# Altium PCB new -finish.PcbDoc (part 1 of 2) (continued)
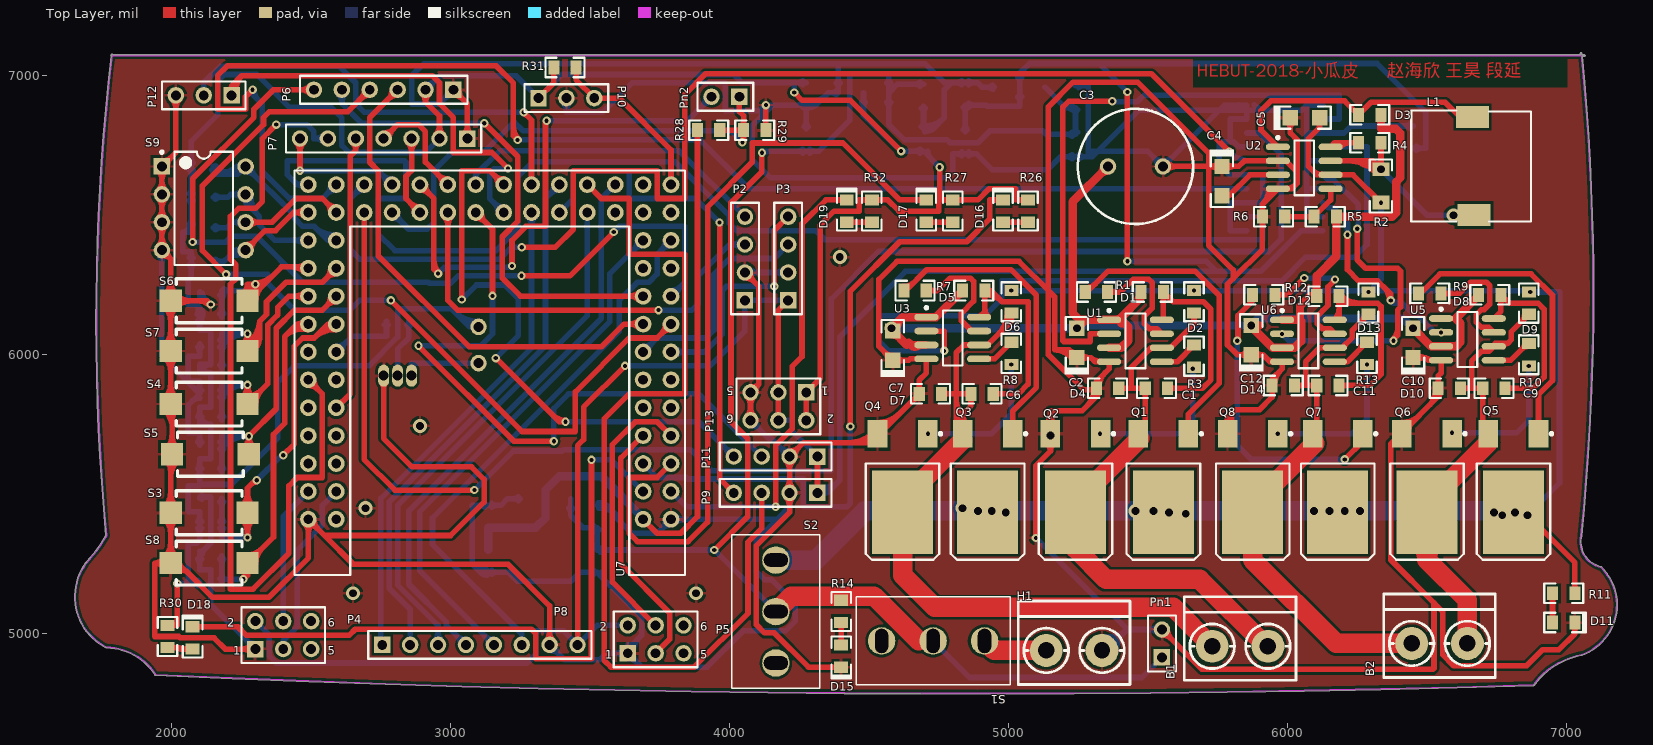
[diagram p0: Top Layer view]
## Nets (pads, with @x,y where several pads share a name; then routed paths per layer and width w, separated by ;. In a path a pad name is that pad's centre, name@x,y a point inside that pad or via, vN(x,y) a via of type N, cw(c..) or ccw(c..) an arc to the next point about the centre after c; other vN are vias at no path point) (continued)
  Bottom Layer w20: P4.2@2300,5045 2350,4995 2350,4920 2375,4895 3275,4895 3305,4925 3305,5010 3405,5010 P8.8@3455,4960 3525,5030 P5.2@3635,5030 ; v1(3625,5960) 3930,5960 4055,6085 P2.1@4055,6195 P3.1@4210,6195 ; P13.4@4175,5765 4225,5765 4225,5725 P11.1@4315,5635 ; P9.1@4314.93,5504.53 ccw(c4323.65,5564.89) 4366.77,5521.77 ; P9.1@4315,5505 4350,5505 ; P9.1@4317.79,5524.33 ccw(c4330.77,5614.22) 4395,5550 ; P9.1@4331.62,5494.74 cw(c4350,5483.4) 4350,5505 ; P9.1@4331.62,5515.26 ccw(c4350,5526.6) 4350,5505 ; C20.2@4837.93,6807.07 ccw(c4820.86,6824.14) 4845,6824.14 ccw(c4869.14,6824.14) C20.2@4852.07,6807.07 ; C19.2@4837.93,6887.93 cw(c4820.86,6870.86) 4845,6870.86 cw(c4869.14,6870.86) C19.2@4852.07,6887.93 ; C20.2@4845,6800 C19.2@4845,6895 4919,6895 4923,6891 5040,6891 2.2@5040,6959.17 5040,7009 ; C19.2@4857.07,6887.93 cw(c4874.14,6870.86) 4874.14,6895 cw(c4874.14,6919.14) C19.2@4857.07,6902.07 ; 2.2@5033.15,6924.77 cw(c5016.62,6908.23) 5040,6908.23 cw(c5063.38,6908.23) 2.2@5046.85,6924.77 ; 2.2@5033.4,6993.82 ccw(c5019.25,7009) 5040,7009 ; 2.2@5046.6,6993.82 cw(c5060.75,7009) 5040,7009 ; v1(5426,6335) 5709,6335 5745,6299 ; v1(5426,6942) 5324,7044 ; U4.20@6126.81,6445 6050,6445 5940,6335 5904,6299 4630,6299 4395,6064 4395,5550 ; C8.2@6450,6740 6495,6740 6495,6870 6321,7044 5324,7044 ; C8.2@6462.07,6732.93 cw(c6479.14,6715.86) 6479.14,6740 cw(c6479.14,6764.14) C8.2@6462.07,6747.07 ; 4350,5505 4395,5550 ; 5040,7009 5075,7044 5324,7044
5VIC: 3.2 C22.1 C24.2 R28.1 U7.2 | length 2500.8
  Top Layer w20: U7.2@3690,5410 3740,5360 3825,5360 3885,5420 R28.1@3885,6805 ; R28.1@3877.93,6792.93 cw(c3860.86,6775.86) 3885,6775.86 cw(c3909.14,6775.86) R28.1@3892.07,6792.93
  Bottom Layer w20: U7.2@3690,5410 U7.2@3690,5415
  Bottom Layer w30: C22.1@3135,5300 C24.2@3135,5380 3305,5380 3340,5415 3.2@3340,5484.17 3340,5515 3390,5565 3540,5565 U7.2@3690,5415
12V: C2.1 C3.1 C7.1 C10.1 C12.1 D1.2 D3.1 D5.2 D8.2 D12.2 R5.1 U1.1 U1.3 U3.1 U3.3 U5.1 U5.3 U6.1 U6.3 | length 5819.1
  Top Layer w30: C7.1@4585,6072.5 cw(c4585,6042.32) 4606.34,6063.66 cw(c4627.68,6085) 4597.5,6085 cw(c4663.89,6085) 4616.95,6131.95 ; C7.1@4585,6085 4635,6035 4642.5,6042.5 ; C7.1@4585,6100 4620,6135 U3.1@4705.51,6135 4740,6135 D5.2@4835,6230 ; C7.1@4590,6095 ccw(c4626.21,6095) C7.1@4600.61,6069.39 ; U3.3@4674.47,6031.84 cw(c4669.14,6069.14) 4642.5,6042.5 ; U3.3@4675.76,6032.33 cw(c4664.52,6049.52) 4650,6035 ; U3.3@4705.51,6035 4650,6035 ; D5.2@4817.93,6212.93 cw(c4835,6195.86) D5.2@4835,6220 ; v2(5245,6095) 5275,6125 ; C2.1@5245,6107.5 ccw(c5245,6137.68) 5266.34,6116.34 ccw(c5287.68,6095) C2.1@5257.5,6095 ; C3.1@5342.05,6675 cw(c5306.97,6675) 5331.77,6650.2 cw(c5356.57,6625.4) C3.1@5356.57,6660.47 ; C3.1@5356.57,6675 5230,6548.43 5230,6150 5255,6125 5275,6125 ; U1.3@5360.51,6025 5404,6025 5429,6050 5429,6100 5404,6125 ; U1.1@5392.01,6128.19 cw(c5392.01,6106.94) 5407.04,6121.96 ; U1.1@5392.96,6128.04 cw(c5388.24,6113.01) 5404,6113.01 ; 5455.86,6185.86 ccw(c5421.72,6220) D1.2@5470,6220 ; D1.2@5475,6225 5475,6205 5404,6134 5404,6125 ; C12.1@5870,6101.96 5946.96,6025 U6.3@5980.51,6025 6025,6025 6048.82,6048.82 6048.82,6121.18 6045,6125 ; v2(5870,6105) 5900,6105 ; C12.1@5878.88,6096.2 cw(c5900,6075.25) 5900,6105 ; C12.1@5878.88,6113.8 ccw(c5900,6134.75) 5900,6105 ; C12.1@5880,6105 ccw(c5911.49,6105) C12.1@5889.22,6082.74 ; C12.1@5882.5,6105 ccw(c5920.02,6105) C12.1@5893.49,6078.47 ; U6.1@5980.51,6125 6045,6125 ; D3.1@6335,6860 6335,6810 6389,6810 6404,6795 6404,6634 6390,6620 6390,6509.64 6375.36,6495 R5.1@6175,6495 6175,6353 6105,6283 D12.2@6105,6210 6080,6210 6045,6175 6045,6125 ; v2(6450,6095) 6515,6030 U5.3@6550.51,6030 6605,6030 6620,6045 6620,6113 6603,6130 6685,6212 D8.2@6685,6215 ; 4642.5,6042.5 4650,6035 ; 5275,6125 U1.1@5360.51,6125 5404,6125
  Bottom Layer w30: v2(4580,6095) v2(5245,6095) 5255,6105 v2(5870,6105) 5895,6130 6415,6130 v2(6450,6095)
GND: 1.1 2.1 3.1 C2.2 C3.2 C4.2 C5.2 C7.2 C8.1 C10.2 C12.2 C13.2 C14.2 C15.1 C16.1 C17.1 C18.1 C19.1 C20.1 C21.2 C22.2 C23.1 C24.1 C25.1 C26.1 C27.1 C28.1 C29.1 C30.1 D4.2 D7.2 D10.2 D11.2 D14.2 D15.2 H1.1 P2.2 P3.2 P4.1 P5.1 P6.1 P7.1 P8.7 P9.2 P10.2 P11.2 P12.3 P13.5 P13.6 Pn1.2 Q2.3 Q4.3 Q6.3 Q8.3 Q9.1 R6.1 R29.2 S3.1 S4.1 S5.1 S6.1 S7.1 S8.1 S9.1 S9.2 S9.3 S9.4 U1.4 U2.2 U2.4 U3.4 U4.1 U4.3 U4.5 U4.7 U4.9 U4.10 U4.11 U4.13 U4.15 U4.17 U4.19 U5.4 U6.4 U7.1 U7.72 | length 43813.2
  Top Layer w20: S9.4@1951.19,6388.81 ccw(c1917.86,6422.14) 1965,6422.14 ccw(c2012.14,6422.14) S9.4@1978.81,6388.81 ; S9.3@1951.19,6461.19 cw(c1917.86,6427.86) 1965,6427.86 cw(c2012.14,6427.86) S9.3@1978.81,6461.19 ; S9.3@1951.19,6488.81 ccw(c1917.86,6522.14) 1965,6522.14 ccw(c2012.14,6522.14) S9.3@1978.81,6488.81 ; S9.2@1951.19,6561.19 cw(c1917.86,6527.86) 1965,6527.86 cw(c2012.14,6527.86) S9.2@1978.81,6561.19 ; S9.2@1951.19,6588.81 ccw(c1917.86,6622.14) 1965,6622.14 ccw(c2012.14,6622.14) S9.2@1978.81,6588.81 ; S9.1@1951.19,6661.19 cw(c1917.86,6627.86) 1965,6627.86 cw(c2012.14,6627.86) S9.1@1978.81,6661.19 ; S9.1@1965,6694.53 ccw(c1965,6741.67) 1998.34,6708.34 ccw(c2031.67,6675) S9.1@1984.53,6675 ; S9.4@1965.96,6355.5 cw(c1967.93,6315.65) 1996.14,6343.86 ; S8.1@1971.2,5236.52 ccw(c1940,5215.66) 1940,5253.19 ; S8.1@1971.2,5269.86 cw(c1940,5290.72) 1940,5253.19 ; S8.1@1974.93,5274.4 ccw(c1923.72,5325.62) 1996.14,5325.62 ccw(c2068.57,5325.62) S8.1@2017.36,5274.4 ; S3.1@1974.93,5411.98 cw(c1923.72,5360.76) 1996.14,5360.76 cw(c2068.57,5360.76) S3.1@2017.36,5411.98 ; S3.1@1974.93,5454.4 ccw(c1923.72,5505.62) 1996.14,5505.62 ccw(c2068.57,5505.62) S3.1@2017.36,5454.4 ; S4.1@1974.93,5801.98 cw(c1909.57,5736.62) 2002,5736.62 ; S4.1@1974.93,5844.4 ccw(c1923.72,5895.62) 1996.14,5895.62 ccw(c2068.57,5895.62) S4.1@2017.36,5844.4 ; S7.1@1974.93,5991.98 cw(c1923.72,5940.76) 1996.14,5940.76 cw(c2068.57,5940.76) S7.1@2017.36,5991.98 ; S7.1@1974.93,6034.4 ccw(c1923.72,6085.62) 1996.14,6085.62 ccw(c2068.57,6085.62) S7.1@2017.36,6034.4 ; S6.1@1974.93,6171.98 cw(c1923.72,6120.76) 1996.14,6120.76 cw(c2068.57,6120.76) 2017.36,6171.98 cw(c2068.57,6120.76) 2068.57,6193.19 cw(c2068.57,6265.62) 2017.36,6214.4 cw(c2068.57,6265.62) 1996.14,6265.62 cw(c1923.72,6265.62) S6.1@1974.93,6214.4 ; S5.1@1979.93,5621.98 cw(c1940.79,5582.83) 1996.14,5582.83 ; S5.1@1981.73,5666.06 ccw(c1946.14,5708) 2001.14,5708 ; S9.4@1984.5,6374.04 ccw(c2024.35,6372.07) 1996.14,6343.86 ; 1996.14,5558.69 cw(c2085.64,5558.69) S5.1@2022.36,5621.98 ; P12.3@2001.19,6916.19 cw(c1967.86,6882.86) 2015,6882.86 cw(c2062.14,6882.86) P12.3@2028.81,6916.19 ; 2002,5764.91 cw(c2054.43,5764.91) S4.1@2017.36,5801.98 ; S8.1@2007.29,5225.34 cw(c2028.1,5173.38) 2054,5223 ; P12.3@2015,6930 2015,6725 S9.1@1965,6675 S9.2@1965,6575 S9.3@1965,6475 S9.4@1965,6375 1996.14,6343.86 ; S5.1@2020.55,5666.06 cw(c2056.14,5708) 2001.14,5708 ; S8.1@2025.37,5259.97 ccw(c2079.89,5272.63) 2054,5223 ; 2096.09,6193.19 cw(c2096.09,6136.09) v1@2136.46,6176.46 ; v1(2140,6180) 2126.81,6193.19 S6.1@1996.14,6193.19 ; P4.1@2286.19,4931.19 ccw(c2252.86,4897.86) 2252.86,4945 ccw(c2252.86,4992.14) P4.1@2286.19,4958.81 ; P4.1@2300,4945 2192,4945 2152,4985 2030,4985 2025,4990 1940,4990 1940,5253.19 ; U7.72@2475.86,5395.86 cw(c2441.72,5361.72) 2490,5361.72 cw(c2538.28,5361.72) U7.72@2504.14,5395.86 ; U7.72@2490,5390 cw(c2490,5341.72) 2524.14,5375.86 cw(c2558.28,5410) U7.72@2510,5410 ; Q9.1@2753.15,5898.47 cw(c2736.62,5881.93) 2760,5881.93 cw(c2783.38,5881.93) Q9.1@2766.85,5898.47 ; Q9.1@2760,5925 2760,5700 2862,5598 3075,5598 3120,5553 3120,5472 3000,5352 2548,5352 ; P6.1@3010,6930.47 cw(c3010,6883.33) 3043.34,6916.66 cw(c3076.67,6950) P6.1@3029.53,6950 ; P6.1@3010,6950 3060,6900 P7.1@3060,6775 ; P7.1@3046.19,6788.81 ccw(c3012.86,6822.14) 3060,6822.14 ccw(c3107.14,6822.14) P7.1@3073.81,6788.81 ; P8.7@3341.19,4973.81 ccw(c3307.86,5007.14) 3355,5007.14 ccw(c3402.14,5007.14) P8.7@3368.81,4973.81 ; P8.7@3355,4960 3355,5100 3206,5249 2651,5249 2548,5352 ; P2.2@4055,6275.47 cw(c4055,6228.33) 4088.34,6261.66 cw(c4121.67,6295) P2.2@4074.53,6295 ; P2.2@4055,6295 4105,6245 4105,5895 ; P13.6@4061.19,5778.81 ccw(c4027.86,5812.14) 4075,5812.14 ccw(c4122.14,5812.14) P13.6@4088.81,5778.81 ; P13.5@4061.19,5851.19 cw(c4027.86,5817.86) 4075,5817.86 cw(c4122.14,5817.86) P13.5@4088.81,5851.19 ; P13.6@4075,5765 P13.5@4075,5865 4105,5895 ; P13.5@4076.51,5884.47 ccw(c4079.32,5920.68) 4105,5895 ; P13.5@4094.47,5866.51 cw(c4130.68,5869.32) 4105,5895 ; R29.2@4122.93,6817.07 ccw(c4105.86,6834.14) 4130,6834.14 ccw(c4154.14,6834.14) R29.2@4137.07,6817.07 ; R29.2@4130,6805 v1(4130,6895) ; P9.2@4201.19,5491.19 cw(c4167.86,5457.86) 4215,5457.86 cw(c4262.14,5457.86) P9.2@4228.81,5491.19 ; P9.2@4201.19,5518.81 ccw(c4167.86,5552.14) 4215,5552.14 ccw(c4262.14,5552.14) P9.2@4228.81,5518.81 ; P11.2@4201.19,5621.19 cw(c4167.86,5587.86) 4215,5587.86 cw(c4262.14,5587.86) P11.2@4228.81,5621.19 ; P11.2@4215,5654.53 ccw(c4215,5701.67) 4248.34,5668.34 ccw(c4281.67,5635) P11.2@4234.53,5635 ; D15.2@4387.93,4872.93 ccw(c4370.86,4855.86) 4370.86,4880 ccw(c4370.86,4904.14) D15.2@4387.93,4887.07 ; D15.2@4400,4880 4283,4880 4160,5003 4125,5003 4096,5032 4096,5316 4215,5435 P9.2@4215,5505 P11.2@4215,5635 4265,5685 4530.24,5685 Q4.3@4530.24,5716.73 4536.73,5716.73 D7.2@4680,5860 4680,5909 4705.51,5934.51 U3.4@4705.51,5985 4647,5985 4642,5980 C7.2@4585,5980 4535,6030 4535,6270 4600,6335 5038,6335 5143,6230 ; 4429.49,5685 ccw(c4429.49,5802.48) Q4.3@4512.56,5719.41 ; 4477.77,5685 ccw(c4477.77,5754.2) Q4.3@4526.7,5705.27 ; Q4.3@4530.24,5736.73 ccw(c4530.24,5800.7) 4575.47,5755.47 ; Q4.3@4530.24,5756.73 ccw(c4530.24,5868.98) 4609.61,5789.61 ; C7.2@4567.5,5980 ccw(c4525.25,5980) 4555.13,6009.87 ccw(c4585,6039.75) C7.2@4585,5997.5 ; C7.2@4597.37,5967.63 cw(c4627.25,5937.75) 4627.25,5980 cw(c4627.25,6022.25) C7.2@4597.37,5992.37 ; 4654.39,5834.39 cw(c4680,5808.79) D7.2@4680,5845 ; D7.2@4672.93,5872.07 ccw(c4655.86,5889.14) 4680,5889.14 ccw(c4704.14,5889.14) D7.2@4687.07,5872.07 ; v1(5098,5343) 5098,5602.76 5150.24,5655 ; Q2.3@5132.56,5749.41 ccw(c5089.88,5792.09) 5150.24,5792.09 ccw(c5210.59,5792.09) Q2.3@5167.91,5749.41 ; Q2.3@5136.36,5680.93 cw(c5119.06,5655) 5150.24,5655 ; Q2.3@5139.39,5699.39 cw(c5113.22,5673.22) Q2.3@5150.24,5673.22 ; Q2.3@5139.39,5720.61 ccw(c5113.22,5746.78) Q2.3@5150.24,5746.78 ; Q2.3@5150.24,5674.36 cw(c5185.64,5674.36) Q2.3@5160.61,5699.39 ; Q2.3@5150.24,5745.64 ccw(c5185.64,5745.64) Q2.3@5160.61,5720.61 ; Q2.3@5164.11,5680.93 ccw(c5181.41,5655) 5150.24,5655 ; 5200.56,6017.5 cw(c5200.56,5963) C2.2@5247.14,5991.3 ; C2.2@5230.04,5980.91 ccw(c5165,5941.4) 5165,6017.5 ; C2.2@5257.37,5977.63 cw(c5287.25,5947.75) 5287.25,5990 cw(c5287.25,6032.25) C2.2@5257.37,6002.37 ; 5280.25,5815.25 ccw(c5220.5,5875) D4.2@5305,5875 ; D4.2@5307.93,5882.07 cw(c5290.86,5899.14) 5290.86,5875 cw(c5290.86,5850.86) 5307.93,5867.93 cw(c5290.86,5850.86) 5315,5850.86 cw(c5339.14,5850.86) D4.2@5322.07,5867.93 ; 5314.39,5849.39 ccw(c5288.79,5875) D4.2@5325,5875 ; D4.2@5325,5885 cw(c5395.01,5885) 5345.51,5934.51 ; U1.4@5328.94,5976.81 cw(c5326.95,6021.95) 5295,5990 ; Pn1.2@5550,4995.47 cw(c5550,4948.33) 5583.34,4981.66 cw(c5616.67,5015) Pn1.2@5569.53,5015 ; Pn1.2@5550,5015 5693,4872 6521,4872 6525,4876 6525,5110 ; C3.2@5553.43,6675 5717,6675 ; C3.2@5567.23,6661.19 cw(c5600.57,6627.86) 5600.57,6675 cw(c5600.57,6722.14) C3.2@5567.23,6688.81 ; C4.2@5752.63,6662.63 ccw(c5722.75,6632.75) 5722.75,6675 ccw(c5722.75,6717.25) C4.2@5752.63,6687.37 ; Q8.3@5772.75,5753.39 ccw(c5760.3,5775) 5785.24,5775 ; C4.2@5777.37,6662.63 cw(c5807.25,6632.75) 5807.25,6675 cw(c5807.25,6717.25) C4.2@5777.37,6687.37 ; Q8.3@5785.24,5716.73 5785.24,5775 ; Q8.3@5789.49,5734.36 cw(c5824.49,5756.03) 5795.38,5785.14 ; Q8.3@5797.72,5753.39 cw(c5810.18,5775) 5785.24,5775 ; Q8.3@5806.49,5744.89 cw(c5846.54,5769.69) 5813.23,5803 ; C12.2@5857.63,5987.63 ccw(c5827.75,5957.75) 5827.75,6000 ccw(c5827.75,6042.25) C12.2@5857.63,6012.37 ; C12.2@5882.43,5987.68 cw(c5912,5958.36) 5912,6000 ; C12.2@5882.43,6012.32 ccw(c5912,6041.64) 5912,6000 ; R6.1@5902.93,6482.93 cw(c5885.86,6465.86) 5910,6465.86 cw(c5934.14,6465.86) R6.1@5917.07,6482.93 ; R6.1@5902.93,6507.07 ccw(c5885.86,6524.14) 5910,6524.14 ccw(c5934.14,6524.14) R6.1@5917.07,6507.07 ; 5925.41,5986.59 ccw(c5949.02,6010.19) U6.4@5949.02,5976.81 ; U2.4@5932.21,6594.96 cw(c5856.35,6593.15) 5910,6539.49 ; D14.2@5937.93,5877.93 cw(c5920.86,5860.86) 5945,5860.86 cw(c5969.14,5860.86) D14.2@5952.07,5877.93 ; 5943.02,6572.51 ccw(c5920.85,6594.69) U2.4@5952.2,6595.43 ; D14.2@5955,5895 cw(c6025.01,5895) 5975.51,5944.51 ; U2.4@5997.01,6596.81 ccw(c5997.01,6644.62) 6030.81,6610.81 ; C5.2@5997.63,6837.63 cw(c5967.75,6807.75) 6010,6807.75 cw(c6052.25,6807.75) C5.2@6022.37,6837.63 ; C5.2@6010,6850 6010,6795 6035,6770 6035,6655 ; Q6.3@6395.19,5681.76 ccw(c6383.61,5666.39) 6370,5680 ; Q6.3@6410.24,5716.73 Q6.3@6410.24,5720.24 ; Q6.3@6410.24,5756.73 ccw(c6410.24,5844.84) 6472.54,5782.54 ; Q6.3@6435.24,5731.73 cw(c6467.84,5731.73) Q6.3@6444.78,5754.78 ; C10.2@6450,5990 6495,5990 ; C10.2@6462.37,5977.63 cw(c6492.25,5947.75) 6492.25,5990 cw(c6492.25,6032.25) C10.2@6462.37,6002.37 ; 6505.25,5815.25 ccw(c6445.5,5875) D10.2@6530,5875 ; U5.4@6518.8,5981.8 cw(c6515.31,6010.31) 6495,5990 ; D10.2@6532.93,5867.93 cw(c6515.86,5850.86) 6540,5850.86 cw(c6564.14,5850.86) D10.2@6547.07,5867.93 ; D10.2@6532.93,5892.07 ccw(c6515.86,5909.14) 6540,5909.14 ccw(c6564.14,5909.14) D10.2@6547.07,5892.07 ; 6539.39,5849.39 ccw(c6513.79,5875) D10.2@6550,5875 ; D11.2@7022.93,5027.93 cw(c7005.86,5010.86) 7030,5010.86 cw(c7054.14,5010.86) D11.2@7037.07,5027.93 ; D11.2@7030,5040 7030,5000 6973,4943 6915,4943 6857,4885 6596,4885 6556,4925 6556,5079 6525,5110 ; 1940,5253.19 S8.1@1996.14,5253.19 ; S8.1@1996.14,5253.19 S3.1@1996.14,5433.19 1996.14,5638.19 S5.1@2001.14,5643.19 2001.14,5708 ; S8.1@1996.14,5253.19 2054,5223 ; S6.1@1996.14,6193.19 S7.1@1996.14,6013.19 S4.1@1996.14,5823.19 2002,5823.19 2002,5708.86 2001.14,5708 ; S6.1@1996.14,6193.19 1996.14,6343.86 ; 2054,5223 2147,5130 2348,5130 2490,5272 U7.72@2490,5410 2548,5352 ; 5143,6230 5165,6208 5165,6017.5 ; 5143,6230 5143,6000 5268,5875 D4.2@5315,5875 ; 5143,6230 5143,6889 5231.23,6977.23 5462.96,6977.23 5717,6723.19 5717,6675 ; 5150.24,5655 Q2.3@5150.24,5716.73 5150.24,5799 5264,5799 5315,5850 D4.2@5315,5875 ; 5165,6017.5 5217.5,6017.5 C2.2@5245,5990 5295,5990 ; 5295,5990 5310,5975 U1.4@5360.51,5975 5360.51,5949.51 5315,5904 D4.2@5315,5880 D4.2@5315,5875 ; 5717,6675 5717,6392 5805,6304 5805,6273 ; 5717,6675 C4.2@5765,6675 5825,6675 5845,6695 U2.2@5965.51,6695 5995,6695 6035,6655 ; 5785.24,5775 5813.24,5803 ; 5805,6273 5910,6378 R6.1@5910,6495 5910,6539.49 ; 5805,6273 5785,6253 5785,6035 5820,6000 C12.2@5870,6000 5912,6000 ; 5813.24,5803 5900,5803 5945,5848 D14.2@5945,5890 5945,5914 5980.51,5949.51 U6.4@5980.51,5975 5937,5975 5912,6000 ; 5910,6539.49 U2.4@5965.51,6595 6015,6595 6035,6615 6035,6655 ; 6370,5680 6370,5265 6525,5110 ; 6370,5680 Q6.3@6410.24,5720.24 ; Q6.3@6410.24,5720.24 6540,5850 D10.2@6540,5880 6540,5924 6550.51,5934.51 U5.4@6550.51,5980 6505,5980 6495,5990
  Bottom Layer w20: S9.4@1951.19,6361.19 cw(c1917.86,6327.86) 1965,6327.86 cw(c2012.14,6327.86) S9.4@1978.81,6361.19 ; S9.4@1965,6375 1965,5995 C26.1@2100,5860 ; 2074.39,5834.39 cw(c2100,5808.79) C26.1@2100,5845 ; 2074.39,5885.61 ccw(c2100,5911.21) C26.1@2100,5875 ; C30.1@2092.93,5267.93 cw(c2075.86,5250.86) 2100,5250.86 cw(c2124.14,5250.86) C30.1@2107.07,5267.93 ; C27.1@2092.93,5687.07 ccw(c2075.86,5704.14) 2100,5704.14 ccw(c2124.14,5704.14) C27.1@2107.07,5687.07 ; C26.1@2092.93,5872.07 ccw(c2075.86,5889.14) 2100,5889.14 ccw(c2124.14,5889.14) C26.1@2107.07,5872.07 ; C29.1@2092.93,6027.93 cw(c2075.86,6010.86) 2100,6010.86 cw(c2124.14,6010.86) C29.1@2107.07,6027.93 ; C30.1@2100,5295 ccw(c2100,5319.14) 2117.07,5302.07 ccw(c2134.14,5285) C30.1@2110,5285 ; C25.1@2100,5485 2100,5490 2140,5490 2140,5325 2100,5285 C30.1@2100,5280 2100,5230 2140,5230 2140,5105 P4.1@2300,4945 ; C27.1@2100,5675 2100,5720 2060,5720 2060,5820 C26.1@2100,5860 ; C29.1@2100,6040 2100,5995 2060,5995 2060,5905 2100,5905 C26.1@2100,5860 ; C28.1@2100,6210 cw(c2100,6185.86) 2117.07,6202.93 cw(c2134.14,6220) C28.1@2110,6220 ; C28.1@2100,6225 2100,6220 v1(2140,6180) ; C25.1@2107.07,5482.93 cw(c2124.14,5465.86) 2124.14,5490 cw(c2124.14,5514.14) C25.1@2107.07,5497.07 ; P4.1@2280.47,4945 ccw(c2233.33,4945) 2266.66,4978.34 ccw(c2300,5011.67) P4.1@2300,4964.53 ; P6.1@2990.47,6950 cw(c2943.33,6950) 2976.66,6916.66 cw(c3010,6883.33) P6.1@3010,6930.47 ; P6.1@3010,6950 2959,6899 2861,6899 2860,6900 2860,7000 2903,7043 4389.45,7043 ; 3109.23,5218.19 ccw(c3129.07,5238.03) C22.2@3130.51,5210.01 ; C22.2@3122.59,5213.28 ccw(c3107.43,5199.53) 3107.43,5220 ; C22.2@3122.59,5226.72 cw(c3107.43,5240.47) 3107.43,5220 ; C24.1@3122.93,5452.93 ccw(c3105.86,5435.86) 3105.86,5460 ccw(c3105.86,5484.14) C24.1@3122.93,5467.07 ; C22.2@3129.49,5229.99 cw(c3125.96,5298.53) 3077.43,5250 ; C22.2@3147.07,5212.93 cw(c3164.14,5195.86) 3164.14,5220 cw(c3164.14,5244.14) C22.2@3147.07,5227.07 ; C24.1@3147.07,5452.93 cw(c3164.14,5435.86) 3164.14,5460 cw(c3164.14,5484.14) C24.1@3147.07,5467.07 ; 3.1@3242.6,5477.33 ccw(c3226.07,5460.79) 3226.07,5484.17 ccw(c3226.07,5507.56) 3.1@3242.6,5491.02 ; 3.1@3249.45,5484.17 3204.17,5484.17 3180,5460 C24.1@3135,5460 3077.43,5460 3077.43,5250 ; P8.7@3355,4940.47 cw(c3355,4893.33) 3388.34,4926.66 cw(c3421.67,4960) P8.7@3374.53,4960 ; P8.7@3355,4960 3409,4906 3533,4906 3557,4930 P5.1@3635,4930 ; P10.2@3401.19,6906.19 cw(c3367.86,6872.86) 3415,6872.86 cw(c3462.14,6872.86) P10.2@3428.81,6906.19 ; P10.2@3415,6920 3415,6870 3546,6870 3650.53,6974.53 3985,6974.53 3985,6875 4108,6875 4128,6895 v1(4130,6895) 4155,6895 ; C21.2@3512.93,5212.93 ccw(c3495.86,5195.86) 3495.86,5220 ccw(c3495.86,5244.14) C21.2@3512.93,5227.07 ; C23.1@3525,5460 3560,5460 3595,5425 ; C23.1@3529.54,5469.99 cw(c3531.58,5425.66) 3562.96,5457.04 ; C23.1@3530.46,5450.01 cw(c3534.4,5364.41) 3595,5425 ; C23.1@3537.07,5452.93 cw(c3554.14,5435.86) 3554.14,5460 cw(c3554.14,5484.14) C23.1@3537.07,5467.07 ; C21.2@3540,5220 ccw(c3576.21,5220) 3550.61,5194.39 ; P5.1@3621.19,4916.19 ccw(c3587.86,4882.86) 3587.86,4930 ccw(c3587.86,4977.14) P5.1@3621.19,4943.81 ; P5.1@3627.1,4947.86 ccw(c3621.72,4960) 3635,4960 ; P5.1@3635,4910.47 cw(c3635,4863.33) 3668.34,4896.66 cw(c3701.67,4930) 3654.53,4930 cw(c3737.88,4930) 3678.94,4988.94 ; P5.1@3642.9,4947.86 cw(c3648.28,4960) 3635,4960 ; P5.1@3649.54,4943.04 cw(c3658.72,4951.27) 3650,4960 ; U7.1@3770,5410 cw(c3721.72,5410) 3755.86,5375.86 cw(c3790,5341.72) U7.1@3790,5390 ; U7.1@3804.14,5395.86 cw(c3838.28,5361.72) 3838.28,5410 cw(c3838.28,5458.28) U7.1@3804.14,5424.14 ; P2.2@4055,6295 P3.2@4210,6295 ; P2.2@4068.81,6281.19 cw(c4102.14,6247.86) 4102.14,6295 cw(c4102.14,6342.14) P2.2@4068.81,6308.81 ; P13.6@4075,5745.47 cw(c4075,5698.33) 4108.34,5731.66 cw(c4141.67,5765) P13.6@4094.53,5765 ; P13.6@4075,5765 4140,5700 4150,5700 P11.2@4215,5635 ; 4103.79,6843.79 ccw(c4052.57,6895) v1@4125,6895 ; 4118.05,6885.05 cw(c4130,6873.1) v1@4130,6890 ; 4137.93,6877.93 ccw(c4120.86,6895) 4145,6895 ; P11.2@4195.47,5635 ccw(c4148.33,5635) 4181.66,5668.34 ccw(c4215,5701.67) P11.2@4215,5654.53 ; P3.2@4196.19,6281.19 ccw(c4162.86,6247.86) 4162.86,6295 ccw(c4162.86,6342.14) P3.2@4196.19,6308.81 ; P9.2@4201.19,5491.19 cw(c4167.86,5457.86) 4215,5457.86 cw(c4262.14,5457.86) P9.2@4228.81,5491.19 ; P9.2@4215,5505 4215,5455 ; C16.1@4262.93,6887.93 ccw(c4245.86,6870.86) 4245.86,6895 ccw(c4245.86,6919.14) C16.1@4262.93,6902.07 ; C15.1@4267.93,6817.07 ccw(c4250.86,6834.14) 4275,6834.14 ccw(c4299.14,6834.14) C15.1@4282.07,6817.07 ; C16.1@4267.93,6887.93 cw(c4250.86,6870.86) 4275,6870.86 cw(c4299.14,6870.86) C16.1@4282.07,6887.93 ; C15.1@4275,6810 C16.1@4275,6895 ; C16.1@4280,6885 ccw(c4280,6933.28) 4314.14,6899.14 ; C16.1@4280,6905 ccw(c4280,7001.57) 4348.28,6933.28 ; C16.1@4287.07,6887.93 cw(c4304.14,6870.86) 4304.14,6895 cw(c4304.14,6919.14) C16.1@4287.07,6902.07 ; 1.1@4382.6,6932.33 ccw(c4366.07,6915.79) 4366.07,6939.17 ccw(c4366.07,6962.56) 1.1@4382.6,6946.02 ; 1.1@4382.6,6973.58 ccw(c4366.07,6990.11) 4389.45,6990.11 ccw(c4412.83,6990.11) 1.1@4396.3,6973.58 ; C14.2@4687.93,6817.07 ccw(c4670.86,6834.14) 4695,6834.14 ccw(c4719.14,6834.14) C14.2@4702.07,6817.07 ; C13.2@4687.93,6882.93 cw(c4670.86,6865.86) 4695,6865.86 cw(c4719.14,6865.86) C13.2@4702.07,6882.93 ; C13.2@4695,6890 C14.2@4695,6810 4730,6810 4770,6850 4770,6950 4795,6975 ; C14.2@4700,6800 ccw(c4700,6848.28) 4734.14,6814.14 ; C14.2@4700,6820 ccw(c4700,6916.57) 4768.28,6848.28 ; C14.2@4707.07,6802.93 cw(c4724.14,6785.86) 4724.14,6810 cw(c4724.14,6834.14) C14.2@4707.07,6817.07 ; C20.1@4832.93,6712.93 ccw(c4815.86,6695.86) 4815.86,6720 ccw(c4815.86,6744.14) C20.1@4832.93,6727.07 ; C19.1@4832.93,6967.93 ccw(c4815.86,6950.86) 4815.86,6975 ccw(c4815.86,6999.14) C19.1@4832.93,6982.07 ; C20.1@4857.07,6712.93 cw(c4874.14,6695.86) 4874.14,6720 cw(c4874.14,6744.14) C20.1@4857.07,6727.07 ; C19.1@4857.07,6967.93 cw(c4874.14,6950.86) 4874.14,6975 cw(c4874.14,6999.14) C19.1@4857.07,6982.07 ; 2.1@4942.6,6952.33 ccw(c4926.07,6935.79) 4926.07,6959.17 ccw(c4926.07,6982.56) 2.1@4942.6,6966.02 ; 2.1@4949.45,6959.17 4904.83,6959.17 4889,6975 C19.1@4845,6975 4795,6975 ; v1(5098,5343) 5426,5015 ; C17.1@5227.93,6702.93 ccw(c5210.86,6685.86) 5210.86,6710 ccw(c5210.86,6734.14) C17.1@5227.93,6717.07 ; C18.1@5240,6965 5285,6965 5285,6714 ; C17.1@5252.07,6702.93 cw(c5269.14,6685.86) 5269.14,6710 cw(c5269.14,6734.14) C17.1@5252.07,6717.07 ; C18.1@5252.07,6957.93 cw(c5269.14,6940.86) 5269.14,6965 cw(c5269.14,6989.14) C18.1@5252.07,6972.07 ; H1.1@5335,4940 5426,5015 ; H1.1@5337.88,4968.91 ccw(c5344.75,5037.99) 5388.9,4984.42 ccw(c5433.04,4930.85) H1.1@5363.93,4937.3 ; H1.1@5339.86,4988.81 ccw(c5351.46,5105.43) 5425.99,5015 ; H1.1@5383.84,4935.44 cw(c5500.53,4924.56) 5425.99,5015 ; C3.2@5533.9,6675 ccw(c5486.75,6675) 5520.09,6708.34 ccw(c5553.43,6741.67) 5553.43,6694.53 ccw(c5553.43,6741.67) 5586.76,6708.34 ccw(c5620.1,6675) C3.2@5572.95,6675 ; Pn1.2@5536.19,5001.19 ccw(c5502.86,4967.86) 5502.86,5015 ccw(c5502.86,5062.14) Pn1.2@5536.19,5028.81 ; Pn1.2@5550,5015 5426,5015 ; 5780.33,6877.23 ccw(c5780.33,6942.27) U4.10@5826.32,6896.28 ; U4.1@5853.19,6445 5794,6445 5794,6539 5800,6545 U4.3@5853.19,6545 5911,6545 5911,6645 U4.5@5853.19,6645 5792.7,6645 5755.79,6681.92 5755.79,6763 5795,6763 ; U4.7@5853.19,6745 5825.79,6745 5807.79,6763 5795,6763 ; U4.10@5880.06,6896.28 ccw(c5926.05,6942.27) 5926.05,6877.23 ; U4.19@6126.81,6495 6069,6495 6069,6595 ; U4.17@6126.81,6595 6069,6595 ; U4.15@6126.81,6695 6069,6695 ; U4.11@6126.81,6895 6069,6895 ; C8.1@6437.93,6812.93 ccw(c6420.86,6795.86) 6420.86,6820 ccw(c6420.86,6844.14) C8.1@6437.93,6827.07 ; C8.1@6450,6820 6227,6820 6202,6795 U4.13@6126.81,6795 6069,6795 ; 3077.43,5250 3107.43,5220 ; 3107.43,5220 C22.2@3135,5220 3207,5220 3239,5188 3431,5188 3463,5220 C21.2@3525,5220 3685,5060 3685,4995 3650,4960 ; 3595,5425 3595,5415 3650,5360 3740,5360 U7.1@3790,5410 4170,5410 ; P5.1@3635,4930 3635,4960 ; P5.1@3635,4930 3685,4880 3919,4880 4049,5010 4200,5010 4236,5046 4236,5108 4150,5194 4125,5194 4096,5223 4096,5336 4170,5410 ; 3635,4960 3650,4960 ; 4155,6895 C16.1@4275,6895 ; 4155,6895 4081,6821 4081,6700 4146.86,6634.14 4775,6634.14 4800,6659.14 4800,6720 C20.1@4845,6720 4885,6720 4942,6663 5140,6663 5187,6710 C17.1@5240,6710 5281,6710 ; 4170,5410 4175,5410 4215,5450 4215,5455 ; 4170,5410 4215,5455 ; C16.1@4275,6895 4310,6895 4354.17,6939.17 1.1@4389.45,6939.17 4389.45,7043 ; 4389.45,7043 4702,7043 4770,6975 4795,6975 ; 5281,6710 5285,6710 ; 5281,6710 5285,6714 ; 5285,6710 5300,6710 5319,6729 ; 5285,6710 5285,6714 ; 5285,6714 5300,6729 5319,6729 ; 5319,6729 5499.43,6729 C3.2@5553.43,6675 5755.66,6877.23 ; 5319,6729 5467.23,6877.23 5755.66,6877.23 ; 5755.66,6877.23 5773.43,6895 U4.10@5853.19,6895 5853.19,6877.23 ; 5755.66,6877.23 5853.19,6877.23 ; 5795,6763 5795,6845 U4.9@5853.19,6845 5853.19,6877.23 ; 5853.19,6877.23 6051.23,6877.23 6069,6895 ; 6069,6595 6069,6695 ; 6069,6695 6069,6795 ; 6069,6795 6069,6895
  other v2: 2650,5145 3880,5145 2695,5450 5150,5710 2890,5745 4395,6350
"MOTOR1 IN1": U4.18 U5.2 | length 820.9
  Top Layer w20: v1(6215,6430) 6215,6305 6255,6265 6323.28,6265 6370,6218.28 v1(6370,6195) ; 6345,6243.28 cw(c6296.72,6195) v1@6365,6195
  Bottom Layer w20: U4.18@6126.81,6545 6145,6526.81 6165.58,6526.81 6215,6477.39 v1(6215,6430) ; v1(6370,6195) 6380,6185 6410,6185 6455,6140 6468.64,6140 6528.64,6080 v1(6550.51,6080) ; v1@6373.54,6198.54 ccw(c6406.21,6231.21) 6406.21,6185
"MOTOR1 IN2": U4.16 U6.2 | length 1289.7
  Top Layer w20: v1(5980.51,6074.49) U6.2@5980.51,6075 ; v1(6250,6451.57) 6250,6340 6280,6310 6395,6310 6405,6300 6405,6170.5 6395,6160.5 6395,6070 6375,6050 v1(6380,6050) ; v1@6376.46,6053.54 ccw(c6331.72,6098.28) 6395,6098.28
  Bottom Layer w20: v1(5980.51,6074.49) 6005,6050 v1(6380,6050) ; U4.16@6126.81,6645 6145,6626.81 6165.58,6626.81 6253.79,6538.6 6253.79,6455.35 v1(6250,6451.57) ; v1@6246.46,6455.1 ccw(c6228.79,6472.78) 6253.79,6472.78
"MOTOR1 IN3": U3.2 U4.14 | length 2875.3
  Top Layer w20: U3.2@4705.51,6085 4769,6085 v1(4769,6014)
  Bottom Layer w20: v1(4769,6014) 4571,6014 4535,6050 4535,6140 4915,6140 4975,6200 4975,6265 5980,6265 6065,6350 6135,6350 6240,6350 6285,6395 6285,6745 U4.14@6126.81,6745
"MOTOR1 IN4": U1.2 U4.12 | length 2200.5
  Top Layer w20: U1.2@5360.51,6075 5293,6075 5293,6047.5 5197.5,6047.5 5195,6050 5195,6888 5216,6909 v1(5372,6909)
  Bottom Layer w20: v1(5372,6909) 5374,6907 5461.32,6907 5485.32,6931 6185,6931 6185,6845 U4.12@6126.81,6845 ; v1@5375.54,6912.54 ccw(c5388.9,6925.9) 5388.9,6907